# Altium PCB Copy of GameBoard_V1I1_083018.PcbDoc (part 11 of 21) (continued)
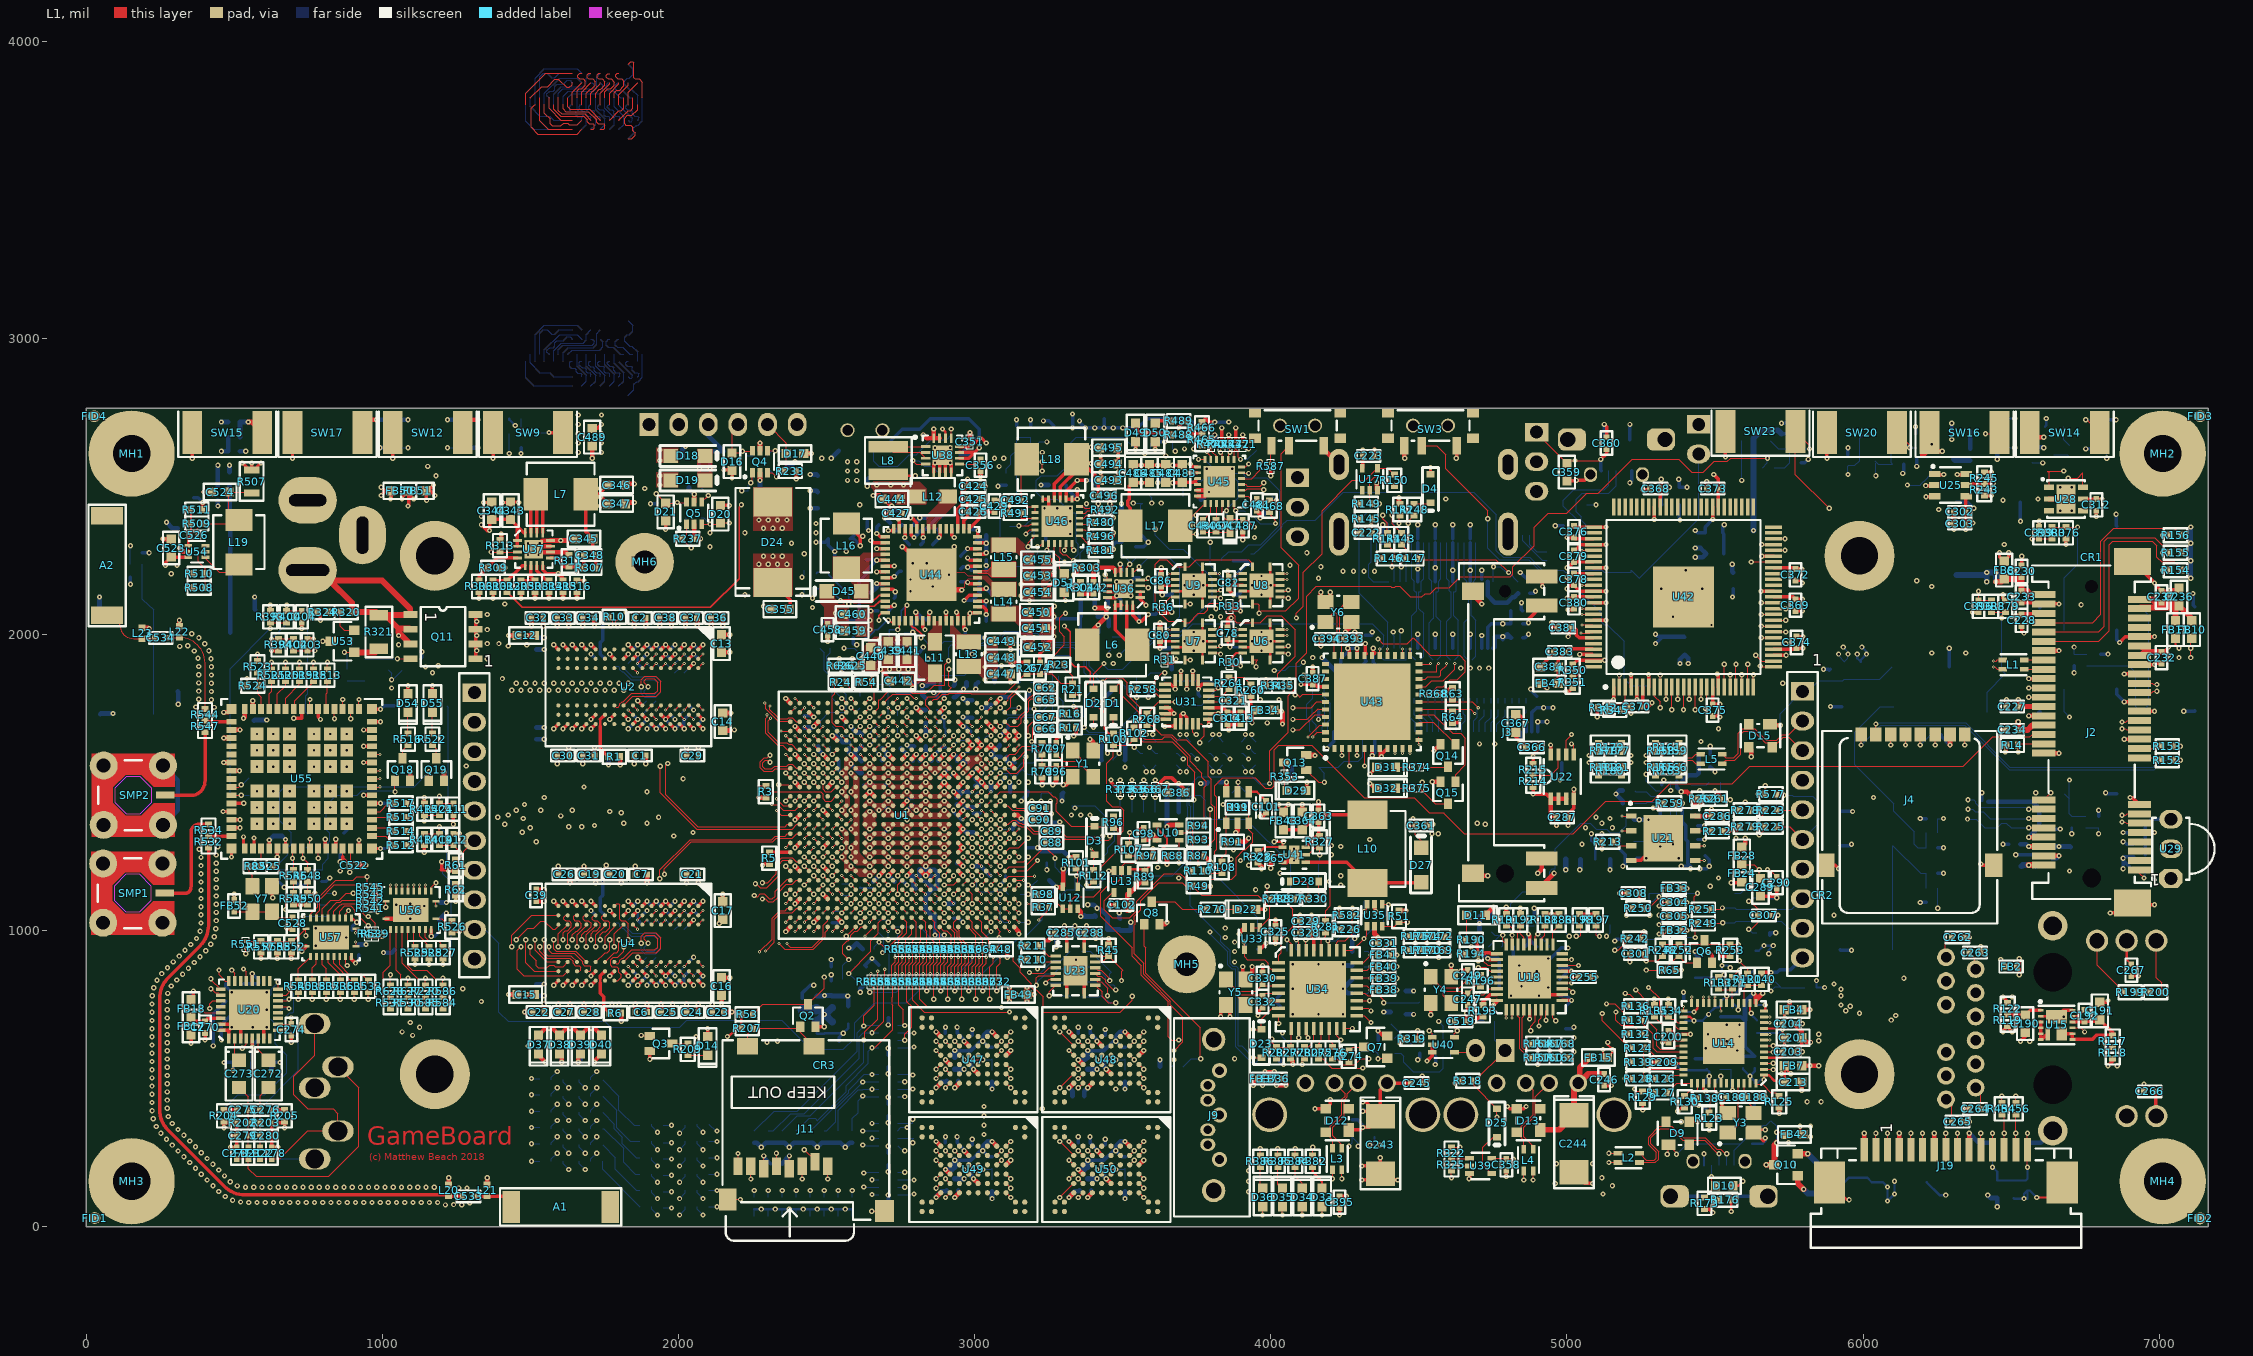
[diagram p0: L1 view]
## Nets (pads, with @x,y where several pads share a name; then routed paths per layer and width w, separated by ;. In a path a pad name is that pad's centre, name@x,y a point inside that pad or via, vN(x,y) a via of type N, cw(c..) or ccw(c..) an arc to the next point about the centre after c; other vN are vias at no path point) (continued)
  L11 w3.94: v6(1988.19,1744.09) v5(2003.94,1759.84)
  L12 w3.66: v6(1988.19,1744.09) v5(2003.94,1759.84)
DRAM_D27: U1.AB11 U3.C2 | length 812.3
  L1 w3.66: v2(2456.69,1437.01) U1.AB11@2472.44,1452.76
  L10 w3.66: v5(2003.94,1728.35) 2003.94,1704.72 2011.81,1696.85 2027.56,1696.85 2035.43,1688.98 2035.43,1668.88 2029.6,1663.04 1988.19,1663.04 1982.35,1657.2 1982.35,1645.53 1988.19,1639.69 2033.53,1639.69 2043.31,1629.92 2043.31,1606.3 2236.22,1413.39 2433.07,1413.39 v2(2456.69,1437.01)
  L11 w3.94: v5(2003.94,1728.35) v6(2019.68,1744.09)
  L12 w3.66: v5(2003.94,1728.35) v6(2019.68,1744.09)
DRAM_D28: U1.AC9 U3.C8 | length 815.6
  L1 w3.66: v2(2425.2,1531.5) U1.AC9@2440.94,1515.75
  L10 w3.66: v5(2003.94,1917.32) 2003.94,1940.94 2010.83,1947.83 2093.5,1947.83 2099.27,1953.6 2180.26,1953.6 2346.46,1787.4 2346.46,1775.59 2362.2,1759.84 2362.2,1668.23 2397.64,1632.79 2397.64,1612.21 2409.45,1600.39 2409.45,1587.02 2392.87,1570.45 2392.87,1553.01 2414.38,1531.5 v2(2425.2,1531.5)
  L11 w3.94: v6(1988.19,1901.58) v5(2003.94,1917.32)
  L12 w3.66: v6(1988.19,1901.58) v5(2003.94,1917.32)
DRAM_D29: U1.AD9 U3.B8 | length 815.1
  L1 w3.66: v2(2393.7,1531.5) U1.AD9@2409.45,1515.75
  L10 w3.66: v5(2035.43,1917.32) 2067.91,1917.32 2086.61,1936.02 2144.75,1936.02 2160.07,1920.71 2202.4,1920.71 2338.86,1784.25 2338.86,1771.65 2354.61,1755.91 2354.61,1741.37 2348.77,1735.53 2338.8,1735.53 2332.96,1729.69 2332.96,1718.02 2338.8,1712.18 2348.77,1712.18 2354.61,1706.35 2354.61,1694.68 2348.77,1688.84 2338.8,1688.84 2332.96,1683 2332.96,1671.33 2338.8,1665.49 2348.77,1665.49 2354.61,1659.66 2354.61,1653.82 2346.46,1645.67 2346.46,1637.8 2354.33,1629.92 2362.2,1629.92 2370.08,1637.8 2379.33,1637.8 2385.83,1631.3 2385.83,1610.24 2377.4,1601.81 2377.4,1590.1 2385.28,1582.23 2385.28,1539.92 v2(2393.7,1531.5)
  L11 w3.94: v6(2019.69,1933.07) v5(2035.43,1917.32)
  L12 w3.66: v6(2019.69,1933.07) v5(2035.43,1917.32)
DRAM_D30: U1.AD11 U3.A2 | length 816.2
  L1 w3.66: v2(2393.7,1437.01) U1.AD11@2409.45,1452.76
  L10 w3.66: v5(2066.93,1728.35) 2087.61,1728.35 2114.17,1701.79 2114.17,1601.3 2136.27,1579.2 2158.09,1579.2 2165.89,1571.4 2165.89,1563.52 2141.73,1539.37 2141.73,1531.5 2149.8,1523.43 2158.05,1523.43 2181.83,1547.21 2190.08,1547.21 2198.33,1538.95 2198.33,1530.7 2174.56,1506.92 2174.56,1498.67 2182.81,1490.42 2191.07,1490.42 2220.61,1519.96 2228.87,1519.96 2237.12,1511.71 2237.12,1503.45 2207.58,1473.91 2207.58,1465.65 2219.96,1453.27 2240.16,1433.07 2251.83,1433.07 2333.81,1433.07 2352.38,1451.63 2368.26,1451.63 2382.89,1437.01 v2(2393.7,1437.01)
  L11 w3.94: v6@2051.18,1712.6 v5(2066.93,1728.35)
  L12 w3.66: v6(2051.18,1712.6) v5(2066.93,1728.35)
DRAM_D31: U1.AC11 U3.A3 | length 815
  L1 w3.66: v2(2425.2,1437.01) U1.AC11@2440.94,1452.76
  L10 w3.66: v5(2066.93,1759.84) 2086.61,1759.84 2125.98,1720.47 2125.98,1602.36 2137.8,1590.55 2157.48,1590.55 2165.69,1582.35 2220.47,1527.56 2279.53,1527.56 2285.95,1521.14 2285.95,1512.89 2252.83,1479.77 2252.83,1471.51 2261.08,1463.26 2265.41,1463.26 2302.65,1500.5 2311.59,1500.5 2323.09,1489 2323.09,1484 2296.27,1457.18 2296.27,1448.92 2304.53,1440.67 2312.78,1440.67 2335.47,1463.36 2343.73,1463.36 2347.85,1459.23 2392.16,1459.23 2414.39,1437.01 v2(2425.2,1437.01)
  L11 w3.94: v5(2066.93,1759.84) v6(2082.68,1744.09)
  L12 w3.66: v5(2066.93,1759.84) v6(2082.68,1744.09)
DRAM_D32: U1.AA17 U5.E3 | length 1229.9
  L1 w3.66: v2(2488.19,1248.03) U1.AA17@2503.94,1263.78
  L10 w3.66: v5(1940.94,893.7) 1952.76,881.89 1976.38,881.89 1984.25,874.02 1984.25,866.14 1972.44,854.33 1972.44,806.1 1979.59,798.96 2086.61,798.96 2092.45,798.96 2098.29,804.79 2098.29,820.92 2104.12,826.76 2115.8,826.76 2121.63,820.92 2121.63,804.79 2127.47,798.96 2139.14,798.96 2144.98,804.79 2144.98,820.92 2150.82,826.76 2162.49,826.76 2168.33,820.92 2168.33,804.79 2174.16,798.96 2185.84,798.96 2191.67,804.79 2191.67,820.92 2197.51,826.76 2209.18,826.76 2215.02,820.92 2215.02,804.79 2220.86,798.96 2310.77,798.96 2314.98,803.17 2511.81,1000 2511.81,1074.8 2536.42,1099.41 2536.42,1190.94 2526.57,1200.79 2510.83,1200.79 2503.94,1207.68 2503.94,1232.28 v2(2488.19,1248.03)
  L11 w3.94: v6(1925.2,877.95) v5(1940.94,893.7)
  L12 w3.66: v6(1925.2,877.95) v5(1940.94,893.7)
DRAM_D33: U1.AA18 U5.G2 | length 1223.1
  L1 w3.66: U1.AA18@2503.94,1232.28 v2(2519.69,1216.54)
  L10 w3.66: v5(1877.95,862.2) 1866.14,862.2 1854.33,874.02 1842.52,874.02 1834.65,881.89 1834.65,889.76 1842.52,897.64 1850.39,897.64 1866.14,881.89 1929.13,881.89 1941.93,869.09 1941.93,809.04 1959.61,791.36 2314.98,791.36 2519.41,995.79 2519.41,1071.66 2547.52,1099.77 2547.52,1190.67 2521.65,1216.54 v2(2519.69,1216.54)
  L11 w3.94: v5(1877.95,862.2) v6(1893.7,877.95)
  L12 w3.66: v5(1877.95,862.2) v6(1893.7,877.95)
DRAM_D34: U1.AC18 U5.F8 | length 1227.1
  L1 w3.66: v2(2425.2,1248.03) U1.AC18@2440.94,1232.28
  L10 w3.66: v5(1909.45,1051.18) 1910.57,1052.3 1910.57,1114.35 1937.95,1141.73 1950.63,1141.73 2060.31,1251.42 2091.81,1251.42 2167.71,1327.32 2185.04,1327.32 2186.31,1327.32 2192.15,1321.49 2192.15,1296.04 2197.98,1290.2 2209.66,1290.2 2215.49,1296.04 2215.49,1321.49 2221.33,1327.32 2233,1327.32 2238.84,1321.49 2238.84,1296.04 2244.68,1290.2 2256.35,1290.2 2262.19,1296.04 2262.19,1321.49 2268.02,1327.32 2279.7,1327.32 2285.53,1321.49 2285.53,1296.04 2291.37,1290.2 2303.04,1290.2 2308.88,1296.04 2308.88,1321.49 2314.71,1327.32 2326.39,1327.32 2332.22,1321.49 2332.22,1296.04 2338.06,1290.2 2349.73,1290.2 2355.57,1296.04 2355.57,1321.49 2361.41,1327.32 2373.08,1327.32 2378.92,1321.49 2378.92,1299.99 2384.75,1294.15 2396.43,1294.15 2402.26,1299.99 2402.26,1321.49 2408.1,1327.32 2419.77,1327.32 2425.61,1321.49 2425.61,1294.95 2431.45,1289.12 2443.12,1289.12 2448.96,1294.95 2448.96,1321.49 2454.79,1327.32 2460.63,1327.32 2468.78,1319.17 2468.78,1291.61 v2(2425.2,1248.03)
  L11 w3.94: v5(1909.45,1051.18) v6(1925.2,1066.93)
  L12 w3.66: v5(1909.45,1051.18) v6(1925.2,1066.93)
DRAM_D35: U1.AE19 U5.H7 | length 1225.2
  L1 w3.66: v2(2362.2,1216.54) U1.AE19@2377.95,1200.79
  L10 w3.66: v5(1846.46,1019.69) 1886.49,979.65 1906.17,979.65 1933.07,952.76 2000,952.76 2007.87,960.63 2007.87,968.5 2000,976.38 1972.44,976.38 1961.36,987.46 1961.36,1036.74 1942.07,1056.04 1942.07,1072.99 1952.88,1083.8 1962.75,1083.8 1971.32,1092.37 1971.32,1136.67 2067.91,1233.27 2070.87,1236.22 2133.54,1236.22 2139.38,1230.38 2139.38,1214.22 2145.21,1208.38 2156.89,1208.38 2162.72,1214.22 2162.72,1236.22 2162.72,1237.45 2168.56,1243.29 2180.23,1243.29 2186.07,1237.45 2186.07,1236.22 2186.07,1214.22 2191.91,1208.38 2203.58,1208.38 2209.42,1214.22 2209.42,1236.22 2209.42,1237.45 2215.25,1243.29 2226.93,1243.29 2232.76,1237.45 2232.76,1236.22 2232.76,1214.22 2238.6,1208.38 2250.27,1208.38 2256.11,1214.22 2256.11,1230.38 2261.95,1236.22 2267.78,1236.22 2274.26,1242.7 2292.67,1242.7 2318.83,1216.54 2332.82,1216.54 2352.5,1236.22 2394.7,1236.22 2408.33,1222.59 2408.33,1210.48 2398.64,1200.79 2377.95,1200.79 v2(2362.2,1216.54)
  L11 w3.94: v5(1846.46,1019.69) v6(1862.2,1003.94)
  L12 w3.66: v5(1846.46,1019.69) v6(1862.2,1003.94)
DRAM_D36: U1.Y17 U5.H3 | length 1224.8
  L1 w3.66: U1.Y17@2535.43,1263.78 v2(2551.18,1279.53)
  L10 w3.66: v5(1846.46,862.2) 1846.46,803.15 1873.45,776.16 2323.41,776.16 2534.61,987.36 2534.61,1065.36 2566.93,1097.68 2566.93,1263.78 v2(2551.18,1279.53)
  L11 w3.94: v5(1846.46,862.2) v6(1862.2,877.95)
  L12 w3.66: U5.H3@1846.46,893.7 v6(1862.2,877.95)
DRAM_D37: U1.Y18 U5.F2 | length 1225.3
  L1 w3.66: v2(2519.69,1248.03) U1.Y18@2535.43,1232.28
  L10 w3.66: v5(1909.45,862.2) 1921.26,862.2 1929.13,854.33 1929.13,838.58 1921.26,830.71 1885.83,830.71 1877.95,822.83 1877.95,791.34 1885.53,783.76 1897.93,783.76 1909.45,795.28 1925.49,795.28 1937.01,783.76 2319.19,783.76 2527.01,991.57 2527.01,1068.51 2555.12,1096.62 2555.12,1212.6 v2(2519.69,1248.03)
  L11 w3.94: v5(1909.45,862.2) v6(1925.2,846.46)
  L12 w3.66: v5(1909.45,862.2) v6(1925.2,846.46)
DRAM_D38: U1.AB19 U5.H8 | length 1225.9
  L1 w3.66: v2(2456.69,1216.54) U1.AB19@2472.44,1200.79
  L10 w3.66: v5(1846.46,1051.18) 1847.58,1052.3 1847.58,1107.42 1860.81,1120.65 1892.3,1120.65 1930.12,1158.46 1945.87,1158.46 2054.02,1266.61 2085.51,1266.61 2161.42,1342.52 2492.13,1342.52 2507.87,1358.27 2588.45,1358.27 2601.24,1345.47 2601.24,1311.02 2585.77,1295.55 2543.58,1295.55 2535.43,1287.4 2535.43,1271.65 2526.44,1262.66 2482.13,1262.66 2471.46,1251.98 2471.46,1231.3 v2(2456.69,1216.54)
  L11 w3.94: v6(1830.71,1035.43) v5(1846.46,1051.18)
  L12 w3.66: v6(1830.71,1035.43) v5(1846.46,1051.18)
DRAM_D39: U1.AC19 U5.F7 | length 1227.9
  L1 w3.66: v2(2425.2,1216.54) U1.AC19@2440.94,1200.79
  L10 w3.66: v5(1909.45,1019.68) 1922.24,1019.68 1929.13,1012.8 1929.13,1003.94 1921.26,996.06 1898.62,996.06 1881.89,1012.8 1881.89,1031.5 1889.76,1039.37 1925.2,1039.37 1931.1,1045.28 1931.1,1081.69 1941.93,1092.52 1941.93,1122.29 2063.46,1243.82 2104.06,1243.82 2116.14,1255.91 2129.65,1255.91 2141.73,1243.82 2153.27,1243.82 2160.68,1251.24 2160.68,1309.55 2166.52,1315.39 2178.19,1315.39 2184.03,1309.55 2184.03,1250.23 2189.87,1244.4 2201.54,1244.4 2207.38,1250.23 2207.38,1276.77 2213.21,1282.6 2224.89,1282.6 2230.72,1276.77 2230.72,1250.23 2236.56,1244.4 2248.23,1244.4 2254.07,1250.23 2254.07,1276.77 2259.91,1282.6 2271.58,1282.6 2277.42,1276.77 2277.42,1259.84 2283.25,1254.01 2294.93,1254.01 2300.76,1259.84 2300.76,1276.77 2306.6,1282.6 2318.27,1282.6 2324.11,1276.77 2324.11,1250.23 2329.95,1244.4 2341.62,1244.4 2347.46,1250.23 2347.46,1276.77 2353.29,1282.6 2363.07,1282.6 2370.08,1275.59 2370.08,1255.91 2381.89,1244.09 2408.45,1244.09 2425.2,1227.35 v2(2425.2,1216.54)
  L11 w3.94: v6(1893.7,1035.43) v5(1909.45,1019.68)
  L12 w3.66: v6(1893.7,1035.43) v5(1909.45,1019.68)
DRAM_D40: U1.Y19 U5.D7 | length 763.7
  L1 w3.66: v2(2519.69,1185.04) U1.Y19@2535.43,1200.79
  L10 w3.66: v5(1972.44,1019.68) 1984.39,1031.63 2016.01,1031.63 2024.48,1040.1 2024.48,1040.3 2036.49,1052.3 2059.06,1052.3 2097.3,1090.55 2097.3,1106.52 2082.95,1120.87 2082.95,1164.56 2096.88,1178.5 2129.75,1178.5 2129.89,1178.36 2142.59,1178.36 2142.73,1178.5 2249.43,1178.5 2254.57,1183.64 2292.67,1183.64 2308.14,1168.17 2442.13,1168.17 2447.49,1162.81 2465.9,1162.81 2473.5,1170.41 2505.06,1170.41 v2(2519.69,1185.04)
  L11 w3.94: v6(1956.69,1035.43) v5(1972.44,1019.68)
  L12 w3.66: v6(1956.69,1035.43) v5(1972.44,1019.68)
DRAM_D41: U1.AB20 U5.B8 | length 766.7
  L1 w3.66: v2(2456.69,1185.04) U1.AB20@2472.44,1169.29
  L10 w3.66: 2136.24,1193.69 2241.79,1193.69 2246.93,1198.84 2301.94,1198.84 2315.74,1185.04 2328.74,1185.04 2340.55,1196.85 2350.39,1196.85 2362.2,1185.04 2413.39,1185.04 2425.2,1196.85 2444.88,1196.85 v2(2456.69,1185.04)
  L10 w3.94: v5(2003.94,1051.18) 2003.94,1074.8 2011.81,1082.68 2027.56,1082.68 2035.43,1090.55 2035.43,1106.3 2027.56,1114.17 1996.06,1114.17 1988.19,1122.05 1988.19,1137.8 1997.05,1146.65 2033.67,1146.65 2043.31,1156.29 2043.31,1181.88 2077.96,1216.54 2113.4,1216.54 2136.24,1193.69
  L11 w3.94: v5(2003.94,1051.18) v6(2019.69,1066.93)
  L12 w3.66: v6(2019.69,1066.93) U5.B8@2035.43,1051.18
DRAM_D42: U1.AB21 U5.C2 | length 760
  L1 w3.66: U1.AB21@2472.44,1137.8 v2(2488.19,1153.54)
  L10 w3.66: v5(2003.94,862.2) 2011.68,854.46 2067.06,854.46 2079.72,867.13 2328.82,867.13 2480.32,1018.62 2480.32,1050.06 2480.04,1050.33 2480.04,1109.45 2471.32,1118.17 2471.32,1136.67 v2(2488.19,1153.54)
  L11 w3.94: v5(2003.94,862.2) v6(2019.68,877.95)
  L12 w3.66: v5(2003.94,862.2) v6(2019.68,877.95)
DRAM_D43: U1.AD21 U5.A7 | length 763.3
  L1 w3.66: v2(2393.7,1122.05) U1.AD21@2409.45,1137.8
  L10 w3.66: 2066.93,1039.37 2066.93,1047.24 2104.9,1085.22 2104.9,1109.67 2090.55,1124.02 2090.55,1161.42 2098.43,1169.29 2111.75,1169.29 2117.59,1163.45 2117.59,1146.67 2123.43,1140.83 2135.1,1140.83 2140.94,1146.67 2140.94,1163.45 2146.77,1169.29 2158.45,1169.29 2164.28,1163.45 2164.28,1146.67 2170.12,1140.83 2181.79,1140.83 2187.63,1146.67 2187.63,1163.45 2193.46,1169.29 2205.14,1169.29 2210.97,1163.45 2210.97,1146.67 2216.81,1140.83 2228.48,1140.83 2234.32,1146.67 2234.32,1163.45 2240.16,1169.29 2250.97,1169.29 2257.72,1176.04 2289.52,1176.04 2312.02,1153.54 2327.62,1153.54 2334.65,1160.57 2347.3,1160.57 2354.61,1153.26 2354.61,1145.39 2362.2,1137.8 2374.02,1137.8 2381.89,1145.67 2381.89,1152.56 2389.9,1160.57 2398.48,1160.57 2409.45,1149.61 2409.45,1137.8 v2(2393.7,1122.05)
  L10 w3.94: v5(2066.93,1019.68) 2066.93,1039.37
  L11 w3.94: v5(2066.93,1019.68) v6(2082.68,1035.43)
  L12 w3.66: v5(2066.93,1019.68) v6(2082.68,1035.43)
DRAM_D44: U1.Y20 U5.A2 | length 763.4
  L1 w3.66: v2(2519.69,1153.54) U1.Y20@2535.43,1169.29
  L10 w3.66: v5(2035.43,830.71) 2094.49,830.71 2122.05,858.27 2181.1,858.27 2200.79,838.58 2311.02,838.58 2492.13,1019.68 2492.13,1086.61 2519.69,1114.17 v2(2519.69,1153.54)
  L11 w3.94: v5(2035.43,830.71) v6(2051.18,846.46)
  L12 w3.66: v6(2051.18,846.46) U5.A2@2066.93,862.2
DRAM_D45: U1.AA20 U5.C8 | length 760.9
  L1 w3.66: v2(2488.19,1185.04) U1.AA20@2503.94,1169.29
  L10 w3.66: 2012.81,1039.37 2036.55,1063.12 2036.55,1072.99 2045.12,1081.56 2054.99,1081.56 2066.93,1093.49 2066.93,1133.86 2051.18,1149.61 2051.18,1177.17 2082.68,1208.66 2110.33,1208.66 2133.03,1185.96 2139.44,1185.96 2139.58,1186.09 2244.93,1186.09 2250.08,1191.24 2295.82,1191.24 2311.29,1175.77 2445.28,1175.77 2450.63,1170.41 2462.75,1170.41 2470.35,1178.01 2481.16,1178.01 v2(2488.19,1185.04)
  L10 w3.94: v5(1972.44,1051.18) 1984.25,1039.37 2012.81,1039.37
  L11 w3.94: v5(1972.44,1051.18) v6(1988.19,1035.43)
  L12 w3.66: v6(1988.19,1035.43) U5.C8@2003.94,1051.18
DRAM_D46: U1.AE21 U5.A3 | length 764.8
  L1 w3.66: v2(2362.2,1122.05) U1.AE21@2377.95,1137.8
  L10 w3.66: v5(2066.93,893.7) 2307.09,893.7 2421.26,1007.87 2421.26,1039.37 2421.26,1045.21 2415.42,1051.04 2365.72,1051.04 2359.88,1056.88 2359.88,1068.55 2365.72,1074.39 2415.42,1074.39 2421.26,1080.23 2421.26,1090.55 2429.13,1098.43 2429.13,1110.24 2421.26,1118.11 2410.45,1118.11 2398.64,1106.3 2377.95,1106.3 v2(2362.2,1122.05)
  L11 w3.94: v5(2066.93,893.7) v6(2082.68,877.95)
  L12 w3.66: v5(2066.93,893.7) v6(2082.68,877.95)
DRAM_D47: U1.AC21 U5.C3 | length 763.4
  L1 w3.66: U1.AC21@2440.94,1137.8 v2(2456.69,1122.05)
  L10 w3.66: v5(2003.94,893.7) 2034.31,863.33 2057.24,863.33 2068.64,874.72 2324.54,874.72 2472.44,1022.62 2472.44,1042.1 2466.6,1047.93 2449.67,1047.93 2443.84,1053.77 2443.84,1065.44 2449.67,1071.28 2466.6,1071.28 2472.44,1077.12 2472.44,1094.63 2472.44,1106.3 v2(2456.69,1122.05)
  L11 w3.94: v6(1988.19,877.95) v5(2003.94,893.7)
  L12 w3.66: v6(1988.19,877.95) v5(2003.94,893.7)
DRAM_D48: U1.AC22 U4.D7 | length 734.2
  L1 w3.66: v3(1956.69,877.95) v4(1972.44,893.7) ; v3(2425.2,1090.55) U1.AC22@2440.94,1106.3
  L3 w3.94: v4(1972.44,893.7) 2015.16,850.98 2066.33,850.98 2076.56,861.22 2087.2,861.22 2087.2,866.85 2093.78,873.43 2103.07,873.43 2106.42,870.08 2331.02,870.08 2332,871.06 2333.66,871.06 2433.54,970.94 2433.54,1007.56 2426.18,1014.92 2426.18,1027.25 2413.39,1040.05 v4(2413.39,1078.74)
  L2 w3.94: v3(1956.69,877.95) v4(1972.44,893.7) ; v4(2413.39,1078.74) v3(2425.2,1090.55)
DRAM_D49: U1.AE22 U4.C2 | length 471.5
  L1 w3.66: v4(2003.94,1051.18) v3(2019.68,1066.93) ; v3(2362.2,1090.55) U1.AE22@2377.95,1106.3
  L3 w3.94: v4(2003.94,1051.18) 2034.45,1081.69 2057.3,1081.69 2065.17,1073.82 2345.47,1073.82 2350.39,1078.74 v4(2374.02,1078.74)
  L2 w3.94: v4(2003.94,1051.18) v3(2019.68,1066.93) ; v3(2362.2,1090.55) v4(2374.02,1078.74)
DRAM_D50: U1.AE24 U4.C3 | length 492.8
  L1 w3.66: v4(2003.94,1019.68) v3(2019.68,1035.43) ; v3(2362.2,1027.56) U1.AE24@2377.95,1043.31
  L3 w3.94: v4(2003.94,1019.68) 2010.83,1012.8 2079.72,1012.8 2082.68,1015.75 2082.68,1023.62 2086.61,1027.56 2094.49,1027.56 2098.43,1023.62 2098.43,1015.75 2101.38,1012.8 2111.22,1012.8 2123.03,1024.61 2123.03,1029.74 2131.68,1038.39 2143.91,1038.39 2171.47,1010.83 2186.02,1010.83 2199.8,1024.61 2219.49,1024.61 2233.27,1010.83 2255.91,1010.83 2260.83,1015.75 v4(2350.39,1015.75)
  L2 w3.94: v4(2003.94,1019.68) v3(2019.68,1035.43) ; v4(2350.39,1015.75) v3(2362.2,1027.56)
DRAM_D51: U1.AC24 U4.B8 | length 569.2
  L1 w3.66: v4(2035.43,862.21) v3(2051.18,846.46) ; v3(2425.2,1027.56) U1.AC24@2440.94,1043.31
  L3 w3.94: v4(2035.43,862.21) 2066.41,862.21 2073.3,869.09 2079.33,869.09 2079.33,870.11 2090.52,881.3 2106.33,881.3 2109.68,877.95 2327.76,877.95 2425.67,975.86 2425.67,1003.47 v4(2413.39,1015.75)
  L2 w3.94: v4(2035.43,862.21) v3(2051.18,846.46) ; v4(2413.39,1015.75) v3(2425.2,1027.56)
DRAM_D52: U1.AB22 U4.A7 | length 603
  L1 w3.66: U4.A7@2066.93,893.7 v3(2082.68,877.95) ; v3(2456.69,1090.55) U1.AB22@2472.44,1106.3
  L3 w3.94: v4(2098.42,862.21) 2348.43,862.21 2441.42,955.2 2441.42,1010.82 2434.05,1018.18 2434.05,1030.51 2425.79,1038.78 2425.79,1059.65 v4(2444.88,1078.74)
  L2 w3.94: v3(2082.68,877.95) v4(2098.42,862.21) ; v4(2444.88,1078.74) v3(2456.69,1090.55)
DRAM_D53: U1.AC23 U4.C8 | length 690
  L1 w3.66: U4.C8@2003.94,862.2 v3(2019.68,846.46) ; v3(2425.2,1059.06) U1.AC23@2440.94,1074.8
  L3 w3.94: v4(2003.94,830.71) 2004.92,831.69 2161.21,831.69 2167.11,825.79 2179.34,825.79 2187.22,833.66 2340.55,833.66 2449.29,942.4 2449.29,1014.08 2441.93,1021.44 2441.93,1042.32 v4(2437.01,1047.24)
  L2 w3.94: v4(2003.94,830.71) v3(2019.68,846.46) ; v3(2425.2,1059.06) v4(2437.01,1047.24)
DRAM_D54: U1.AD25 U4.A3 | length 404.8
  L1 w3.66: U4.A3@2066.93,1019.68 v3(2082.68,1035.43) ; v3(2393.7,996.06) U1.AD25@2409.45,1011.81
  L3 w3.94: v4(2098.42,1051.18) 2099.41,1052.17 2226.38,1052.17 2251.57,1026.97 2355.04,1026.97 2361.61,1020.4 2361.61,1017.53 2381.89,997.26 v4(2381.89,984.25)
  L2 w3.94: v3(2082.68,1035.43) v4(2098.42,1051.18) ; v4(2381.89,984.25) v3(2393.7,996.06)
DRAM_D55: U1.AC25 U4.A2 | length 478.8
  L1 w3.66: v4(2066.93,1051.18) v3(2082.68,1066.93) ; v3(2425.2,996.06) U1.AC25@2440.94,1011.81
  L3 w3.94: v4(2066.93,1051.18) 2078.15,1062.4 2233.86,1062.4 2234.25,1062.01 2355.83,1062.01 2401.57,1016.26 2401.57,996.06 v4(2413.39,984.25)
  L2 w3.94: v4(2066.93,1051.18) v3(2082.68,1066.93) ; v4(2413.39,984.25) v3(2425.2,996.06)
DRAM_D56: U1.AB25 U4.E3 | length 922.6
  L1 w3.66: v4(1940.94,1019.68) v3(1956.69,1035.43) ; v3(2456.69,996.06) U1.AB25@2472.44,1011.81
  L3 w3.94: v4(1940.94,1019.68) 1940.94,1106.3 1963.58,1128.94 2090.18,1128.94 2105.93,1144.68 2208.45,1144.68 2261.6,1091.54 2299.68,1091.54 2352.83,1144.69 2391.94,1144.69 2437.94,1098.68 2476.43,1098.68 2492.13,1082.99 2492.13,1055.24 2488.78,1051.89 2488.78,1042.6 2495.35,1036.02 2496.65,1036.02 2496.65,1012.4 v4(2468.5,984.25)
  L2 w3.94: v4(1940.94,1019.68) v3(1956.69,1035.43) ; v3(2456.69,996.06) v4(2468.5,984.25)
DRAM_D57: U1.AA21 U4.G2 | length 857.6
  L1 w3.66: v3(1862.21,1035.43) v4(1877.95,1051.18) ; U1.AA21@2503.94,1137.8 v3(2519.69,1122.05)
  L3 w3.94: v4(1877.95,1051.18) 1877.95,1125 1897.64,1144.68 2083.66,1144.68 2099.41,1160.43 2226.38,1160.43 2244.09,1142.72 2296.26,1142.72 2321.85,1168.31 2431.31,1168.31 2441.93,1157.69 2441.93,1147.43 2452.55,1136.81 2494.3,1136.81 2507.87,1123.24 v4(2507.87,1110.24)
  L2 w3.94: v3(1862.21,1035.43) v4(1877.95,1051.18) ; v4(2507.87,1110.24) v3(2519.69,1122.05)
DRAM_D58: U1.Y25 U4.H7 | length 1026.7
  L1 w3.66: v4(1846.46,893.7) v3(1862.2,877.95) ; v3(2519.69,996.06) U1.Y25@2535.43,1011.81
  L3 w3.94: v4(1846.46,893.7) 1876.97,863.19 1876.97,795.28 1877.95,795.28 1926.18,747.05 1926.18,743.88 1932.86,737.2 2155.32,737.2 2177.95,759.84 2351.07,759.84 2493.11,901.88 2493.11,924.67 2528.15,959.71 2528.15,988.9 2531.5,992.25 v4(2531.5,1007.87)
  L2 w3.94: v4(1846.46,893.7) v3(1862.2,877.95) ; v3(2519.69,996.06) v4(2531.5,1007.87)
DRAM_D59: U1.Y22 U4.F7 | length 1018.3
  L1 w3.66: v3(1893.7,877.95) v4(1909.45,893.7) ; U1.Y22@2535.43,1106.3 v3(2551.18,1090.55)
  L3 w3.94: v4(1909.45,893.7) 1933.07,870.08 1933.07,828.74 1939.96,821.85 1939.96,797.24 1955.71,781.5 1984.93,781.5 1989.85,776.57 2345.53,776.57 2477.36,908.41 2477.36,931.2 2512.4,966.24 2512.4,995.42 2512.4,1015.78 2526.85,1030.23 2526.85,1059.65 2520.28,1066.22 2520.28,1083.27 v4(2539.37,1102.36)
  L2 w3.94: v3(1893.7,877.95) v4(1909.45,893.7) ; v4(2539.37,1102.36) v3(2551.18,1090.55)
DRAM_D60: U1.AB23 U4.H3 | length 883.8
  L1 w3.66: v4(1846.46,1019.69) v3(1862.2,1003.94) ; v3(2456.69,1059.06) U1.AB23@2472.44,1074.8
  L3 w3.94: v4(1846.46,1019.69) 1857.68,1030.9 1914.1,1030.9 1920.67,1024.33 1920.67,1024.09 1936.3,1008.46 1945.59,1008.46 1960.63,1023.5 1960.63,1049.99 1971.46,1060.81 1971.46,1103.35 1989.17,1121.06 2093.45,1121.06 2109.19,1136.81 2205.19,1136.81 2258.34,1083.66 2308.07,1083.66 2331.69,1107.28 2418.21,1107.28 2434.68,1090.81 2448.68,1090.81 2468.5,1070.99 v4(2468.5,1047.24)
  L2 w3.94: v4(1846.46,1019.69) v3(1862.2,1003.94) ; v3(2456.69,1059.06) v4(2468.5,1047.24)
DRAM_D61: U1.AA23 U4.F2 | length 837.1
  L1 w3.66: v4(1909.45,1051.18) v3(1925.2,1066.93) ; v3(2488.19,1059.06) U1.AA23@2503.94,1074.8
  L3 w3.94: v4(1909.45,1051.18) 1909.45,1116.14 1930.12,1136.81 2086.92,1136.81 2102.67,1152.56 2223.12,1152.56 2240.83,1134.84 2331.85,1134.84 2349.57,1152.56 2395.2,1152.56 2441.2,1106.56 2482.8,1106.56 2500,1089.36 v4(2500,1047.24)
  L2 w3.94: v4(1909.45,1051.18) v3(1925.2,1066.93) ; v3(2488.19,1059.06) v4(2500,1047.24)
DRAM_D62: U1.Y23 U4.F8 | length 981
  L1 w3.66: v4(1909.45,862.21) v3(1925.2,846.46) ; v3(2519.69,1059.06) U1.Y23@2535.43,1074.8
  L3 w3.94: v4(1909.45,862.21) 1909.45,798.23 1935.04,772.64 1982.65,772.64 1986.59,768.7 2348.79,768.7 2485.24,905.14 2485.24,927.93 2520.28,962.97 2520.28,992.16 2520.28,1012.52 2536.42,1028.66 2536.42,1065.95 v4(2531.5,1070.87)
  L2 w3.94: v4(1909.45,862.21) v3(1925.2,846.46) ; v3(2519.69,1059.06) v4(2531.5,1070.87)
DRAM_D63: U1.W25 U4.H8 | length 1050.6
  L1 w3.66: v3(1830.71,877.95) v4(1846.46,862.2) ; v3(2551.18,996.06) U1.W25@2566.93,1011.81
  L3 w3.94: v4(1846.46,862.2) 1846.46,794.29 1878.94,761.81 1878.94,745.85 1924,700.79 1986.79,700.79 2002.54,716.54 2047.24,716.54 2062.99,700.79 2134.65,700.79 2182.55,748.69 2351.06,748.69 2500.98,898.62 2500.98,921.41 2539.37,959.8 v4(2539.37,984.25)
  L2 w3.94: v3(1830.71,877.95) v4(1846.46,862.2) ; v4(2539.37,984.25) v3(2551.18,996.06)
DRAM_DQM0: U1.AC3 U2.D3 | length 686.1
  L1 w3.66: v4(1972.44,1885.83) v3(1988.19,1901.57) ; v3(2425.2,1720.47) U1.AC3@2440.94,1704.73
  L3 w3.94: v4(1972.44,1885.83) 1987.2,1871.06 2353.35,1871.06 2394.29,1830.12 2394.29,1803.74 2385.83,1795.28 2385.83,1767.72 2393.11,1760.43 2412.79,1760.43 2437.01,1736.22 v4(2437.01,1708.66)
  L2 w3.94: v4(1972.44,1885.83) v3(1988.19,1901.57) ; v3(2425.2,1720.47) v4(2437.01,1708.66)
DRAM_DQM1: U1.AC6 U2.E7 | length 1115.9
  L1 w3.66: v3(1925.2,1744.1) v4(1940.95,1759.84) ; v3(2425.2,1625.98) U1.AC6@2440.94,1610.24
  L3 w3.94: v4(1940.95,1759.84) 1929.14,1771.65 1881.89,1771.65 1852.33,1742.09 1773.59,1742.09 1751.97,1720.47 1751.97,1631.66 1789.14,1594.49 1976.22,1594.49 1988.03,1582.68 2257.05,1582.68 2300.35,1625.98 2352.98,1625.98 2361.84,1617.13 2384.32,1617.13 2384.72,1617.52 2433.66,1617.52 v4(2437.01,1614.17)
  L2 w3.94: v3(1925.2,1744.1) v4(1940.95,1759.84) ; v3(2425.2,1625.98) v4(2437.01,1614.17)
DRAM_DQM2: U1.AB8 U3.E7 | length 1118.3
  L1 w3.66: v2(2456.69,1562.99) U1.AB8@2472.44,1547.24
  L10 w3.66: v5(1940.95,1885.83) 1927.17,1899.61 1927.17,1921.26 1909.45,1938.98 1909.45,1996.06 1918.66,2005.28 2159.79,2005.28 2167.17,2012.66 2213.88,2012.66 2234.52,1992.02 2234.52,1983.77 2226.16,1975.41 2226.16,1967.16 2234.41,1958.9 2242.67,1958.9 2251.03,1967.26 2259.28,1967.26 2267.53,1959.01 2267.53,1950.75 2259.18,1942.39 2259.18,1934.14 2267.43,1925.89 2275.69,1925.89 2284.04,1934.24 2292.3,1934.24 2401.57,1824.97 2401.57,1723.82 2417.32,1708.07 2417.32,1663.55 2440.94,1639.93 2440.94,1585.63 2456.69,1569.88 v2(2456.69,1562.99)
  L11 w3.94: v6(1925.2,1901.57) v5(1940.95,1885.83)
  L12 w3.66: v6(1925.2,1901.57) v5(1940.95,1885.83)
DRAM_DQM3: U1.AE10 U3.D3 | length 815.6
  L1 w3.66: v2(2338.58,1492.13) 2370.08,1492.13 U1.AE10@2377.95,1484.25
  L10 w3.66: v5(1972.44,1759.84) 1972.44,1779.53 1988.19,1795.28 2066.93,1795.28 2075.18,1787.02 2082.68,1779.53 2106.3,1755.91 2129.92,1755.91 2173.23,1712.6 2173.23,1700.93 2173.23,1683.42 2167.39,1677.58 2139.81,1677.58 2133.97,1671.74 2133.97,1660.07 2139.81,1654.23 2173.23,1654.23 2179.06,1648.4 2179.06,1636.72 2173.23,1630.89 2139.81,1630.89 2133.97,1625.05 2133.97,1613.38 2139.81,1607.54 2167.39,1607.54 2173.23,1601.7 2173.23,1594.49 2224.41,1543.31 2279.53,1543.31 2330.71,1492.13 v2(2338.58,1492.13)
  L11 w3.94: v6(1956.69,1744.09) v5(1972.44,1759.84)
  L12 w3.66: v6(1956.69,1744.09) v5(1972.44,1759.84)
DRAM_DQM4: U1.AB18 U5.E7 | length 1229.9
  L1 w3.66: v2(2456.69,1248.03) U1.AB18@2472.44,1232.28
  L10 w3.66: v5(1940.95,1019.68) 1940.95,996.06 1933.07,988.19 1890.75,988.19 1866.14,1012.8 1866.14,1042.19 1879.07,1055.12 1879.07,1104.48 1887.64,1113.05 1895.45,1113.05 1933.27,1150.87 1949.01,1150.87 2057.16,1259.02 2088.66,1259.02 2164.56,1334.92 2472.44,1334.92 2480.59,1326.77 2562.99,1326.77 2570.87,1318.9 2570.87,1311.02 2562.99,1303.15 2491.06,1303.15 2464.57,1276.66 2464.57,1255.91 v2(2456.69,1248.03)
  L11 w3.94: v6(1925.2,1035.43) v5(1940.95,1019.68)
  L12 w3.66: v6(1925.2,1035.43) v5(1940.95,1019.68)
DRAM_DQM5: U1.AC20 U5.D3 | length 760.5
  L1 w3.66: v2(2425.2,1153.54) U1.AC20@2440.94,1169.29
  L10 w3.66: v5(1972.44,893.7) 1983.52,904.78 2016.48,904.78 2038.64,882.62 2315.69,882.62 2441.93,1008.86 2441.93,1030.51 2433.07,1039.37 2433.07,1078.74 2440.94,1086.61 2440.94,1137.8 v2(2425.2,1153.54)
  L11 w3.94: v6(1956.69,877.95) v5(1972.44,893.7)
  L12 w3.66: v6(1956.69,877.95) v5(1972.44,893.7)
DRAM_DQM6: U1.AD24 U4.D3 | length 569.4
  L1 w3.66: v4(1972.44,1019.68) v3(1988.19,1035.43) ; v3(2393.7,1027.56) U1.AD24@2409.45,1043.31
  L3 w3.94: v4(1972.44,1019.68) 1990.16,1001.97 2058.07,1001.97 2069.88,990.16 2347.23,990.16 2366.32,971.06 2385.83,971.06 2393.11,978.35 2393.11,993.39 2390.28,996.22 2390.28,1000 2381.89,1008.39 v4(2381.89,1015.75)
  L2 w3.94: v4(1972.44,1019.68) v3(1988.19,1035.43) ; v4(2381.89,1015.75) v3(2393.7,1027.56)
DRAM_DQM7: U1.Y21 U4.E7 | length 1006
  L1 w3.66: v3(1925.2,877.95) v4(1940.95,893.7) ; U1.Y21@2535.43,1137.8 v3(2551.18,1122.05)
  L3 w3.94: v4(1940.95,893.7) 1940.95,841.32 1952.55,829.72 1962.81,829.72 1971.46,821.08 1971.46,806.1 1993.11,784.45 2342.27,784.45 2469.49,911.67 2469.49,934.46 2504.53,969.5 2504.53,998.68 2504.53,1019.05 2518.98,1033.49 2518.98,1056.38 2512.4,1062.96 2512.4,1087.76 2526.97,1102.33 2526.97,1121.46 v4(2539.37,1133.86)
  L2 w3.94: v3(1925.2,877.95) v4(1940.95,893.7) ; v4(2539.37,1133.86) v3(2551.18,1122.05)
DRAM_DQS0_N: U1.AD3 U2.B7 | length 674.3
  L1 w3.66: v3(2019.69,1744.1) v4(2035.43,1759.84)
  L1 w3.94: v3(2309.07,1757.89) 2309.07,1745.49 2330.12,1724.45 2330.12,1724.33 2339.88,1714.57 2368.31,1714.57 2372.25,1718.5 2383.66,1718.5 2397.44,1704.73 U1.AD3@2409.45,1704.73
  L3 w3.94: v4(2035.43,1759.84) 2015.75,1779.53 1968.5,1779.53 1964.57,1783.46 1964.57,1803.15 1972.44,1811.02 2161.42,1811.02 2173.23,1799.21 2173.23,1772.33 2200.87,1744.68 2295.87,1744.68 v4(2297.26,1746.08)
  L2 w3.94: v3(2019.69,1744.1) v4(2035.43,1759.84) ; v4(2297.26,1746.08) v3(2309.07,1757.89)